# Altium PCB ES_Class6C_2L.PcbDoc (part 1 of 2)
Units mm, origin at the board's own origin, x right, y up, seen from the top; angles counter-clockwise.
Board outline 40.52 x 188.15 mm, 4 copper layers (Top Layer, Layer 1, Layer 2, Bottom Layer), stack 1.536 mm thick; 132 components, 126 nets, 469 pads, 280 vias.
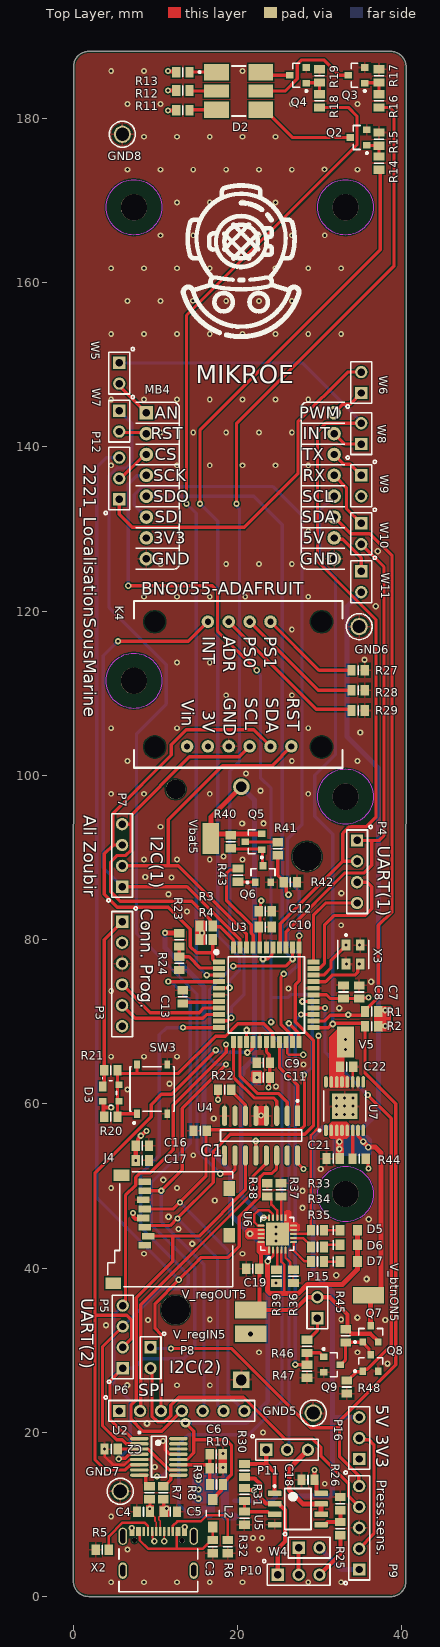
[diagram p0: Top Layer view]
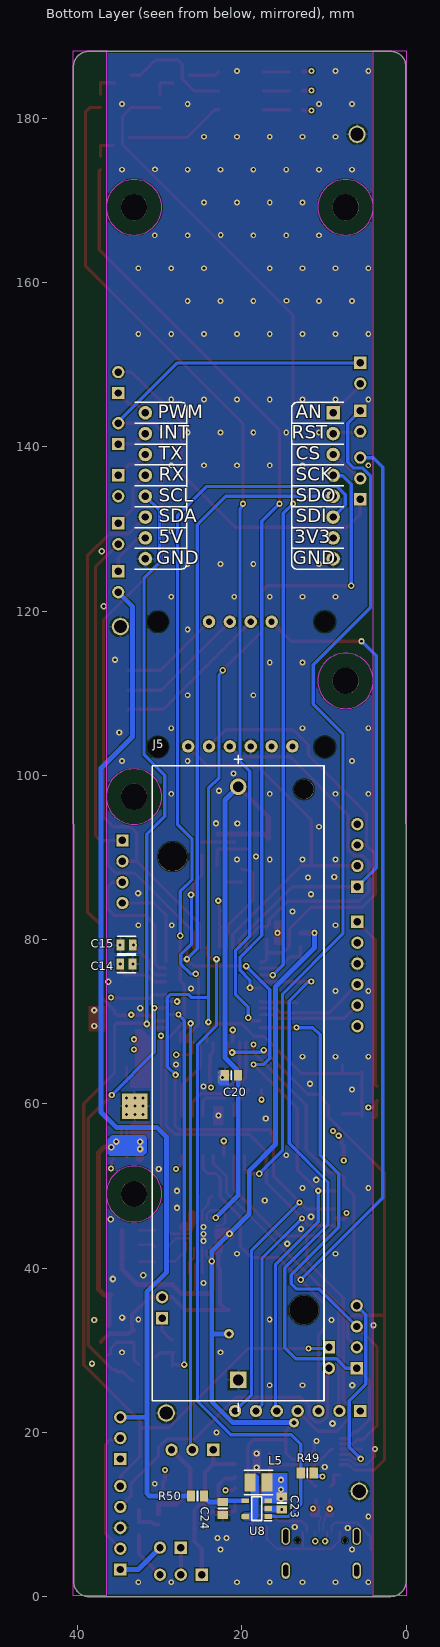
[diagram p1: Bottom Layer view, seen from below]
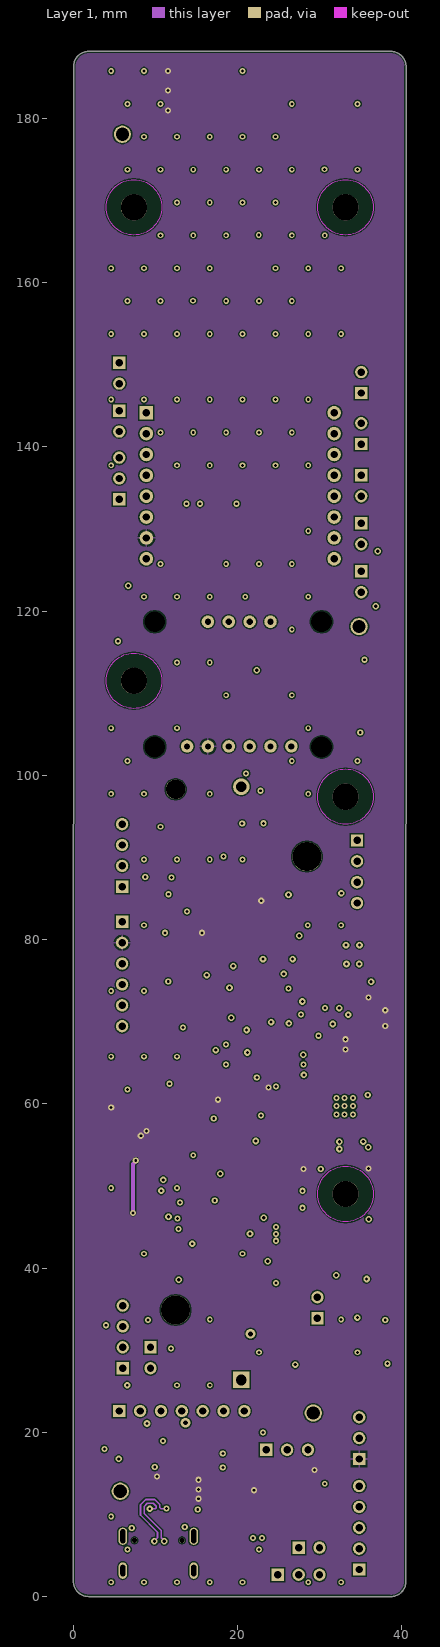
[diagram p2: Layer 1]
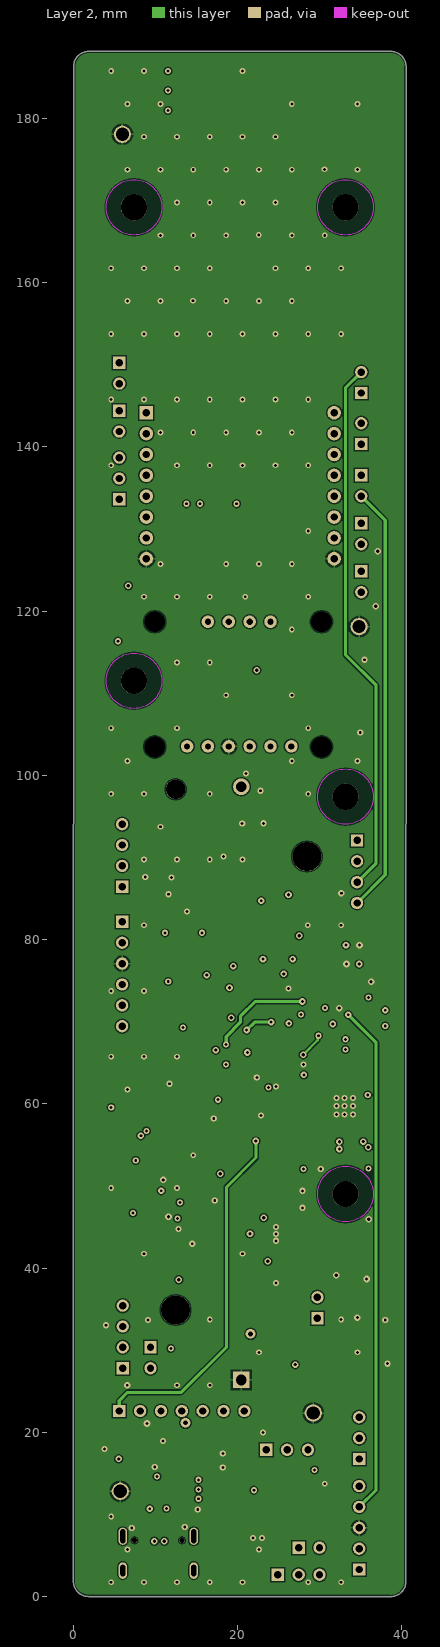
[diagram p3: Layer 2]

## Layer stack, top to bottom
Top Solder: solder mask 0.0102, Solder Resist, Dk 3.5
Top Layer: signal copper 0.018
Dielectric 1: prepreg 0.36, PP-001, Dk 3.9
Layer 1: signal copper 0.035
Dielectric1: core 0.71, FR-4, Dk 4.8
Layer 2: signal copper 0.035
Dielectric 2: prepreg 0.36, PP-001, Dk 3.9
Bottom Layer: signal copper 0.018
Bottom Solder: solder mask 0.0102, Solder Resist, Dk 3.5

## Board outline
1.85,0.012 cw(c1.85,1.863) 0,1.863 0.025,186.299 cw(c1.875,186.299) 1.875,188.15 38.645,188.15 cw(c38.645,186.275) 40.52,186.275 40.508,186.287 40.488,1.851 cw(c38.637,1.851) 38.637,0

## Design rules (kind name [scope] priority, off if disabled: settings)
BoardOutlineClearance [All] p1: gap=0.25 ignorepadtopadclearanceinfootprint=FALSE except(0: Arc-SplitContinuation Track-SplitContinuation SMDPad-SplitContinuation THPad-SplitContinuation Via-SplitContinuation Fill-SplitContinuation Poly-SplitContinuation Region-SplitContinuation Text-SplitContinuation)
Clearance Clearance-xPP-xTP-xTT [All] p1: gap=0.151 ignorepadtopadclearanceinfootprint=FALSE
ComponentClearance [All] p1: gap=0.25 collisioncheckmode=3 verticalgap=0.25 showdistances=FALSE
DiffPairsRouting [All] p1: maxlimit=0.25 minlimit=0.25 mostfreqgap=0.25 toplayer_minwidth=0.2 toplayer_maxwidth=0.381 toplayer_prefwidth=0.381 midlayer1_minwidth=0.2 midlayer1_maxwidth=0.381 midlayer1_prefwidth=0.381 midlayer2_minwidth=0.2 midlayer2_maxwidth=0.381 midlayer2_prefwidth=0.381 bottomlayer_minwidth=0.2 bottomlayer_maxwidth=0.381 bottomlayer_prefwidth=0.381 maxuncoupledlength=12.5
Height [All] p1: minheight=0 maxheight=25 prefheight=12.5
HoleSize HoleSize-PTH [All] p1: absolutevalues=TRUE maxlimit=10 minlimit=0.25 maxpercent=80.000 minpercent=20.000
HoleToHoleClearance [All] p1: gap=0.35 allowstackedmicrovias=TRUE
MinimumAnnularRing "Minimum IAR  >0.45mm" [((ObjectKind = 'Pad') OR (ObjectKind = 'Via')) And (Layer = 'MultiLayer') And (HoleDiameter > AsMM(0.45))] p1: minimumring=0.175 // minimum inner annular ring for pads > 0.45mm finished hole size
MinimumAnnularRing "Minimum IAR <=0.45mm" [((ObjectKind = 'Pad') OR (ObjectKind = 'Via')) And (Layer = 'MultiLayer') And (HoleDiameter <= AsMM(0.45))] p2: minimumring=0.175 // minimum inner annular ring for pads <= 0.45mm finished hole size
MinimumSolderMaskSliver [All] p1: minsoldermaskwidth=0.08
PasteMaskExpansion [All] p1: expansion=-0.025
PlaneClearance PlaneClearance-IPI [All] p1: clearance=0.25
PlaneConnect [All] p1: planeconnectstyle=Relief reliefexpansion=0.175 reliefentries=4 reliefconductorwidth=0.2 reliefairgap=0.2
PolygonConnect DirectVia [All vs IsNamedPolygon('GND_L01_P005') Or IsNamedPolygon('+3V3_L02_P000') Or IsNamedPolygon('GND_L03_P006') Or IsNamedPolygon('GND_L04_P008')] p1: thpad.connectstyle=Relief thpad.reliefconductorwidth=0.254 thpad.reliefentries=4 thpad.polygonreliefangle="90 Angle" thpad.airgapwidth=0.254 smdpad.connectstyle=Relief smdpad.reliefconductorwidth=0.254 smdpad.reliefentries=4 smdpad.polygonreliefangle="90 Angle" smdpad.airgapwidth=0.254 via.connectstyle=Direct via.reliefconductorwidth=0.254 via.reliefentries=4 via.polygonreliefangle="90 Angle" via.airgapwidth=0.254
PolygonConnect PolygonConnect-xTW [All] p2: connectstyle=Relief reliefconductorwidth=0.2 reliefentries=4 polygonreliefangle="90 Angle" airgapwidth=0.2
RoutingCorners [All] p1: cornerstyle=45-Degree minsetback=2.5 maxsetback=2.5
RoutingVias RoutingViasES [All] p1: holewidth=0.3 width=0.65 viastyle="Through Hole" minholewidth=0.25 minwidth=0.61 maxholewidth=0.45 maxwidth=0.8 // finishet hole size <= 0.45mm
SilkToSilkClearance [All] p1: silktosilkclearance=0.2
SilkToSolderMaskClearance SilkscreenOverComponentPads [IsPad] p1: minsilkscreentomaskgap=0.2 clearancetoexposedcopper=TRUE
SolderMaskExpansion [All] p1: expansion=0 istentingtop=FALSE
UnRoutedNet [All] p1: checkbadconnections=TRUE
Width Width-xTW [All] p1: maxlimit=1.5 minlimit=0.15 preferedwidth=0.2
17 further rules are at their usual default settings.

## Classes and differential pairs
component class U_Power: C19 C20 C21 C22 C23 C24 D5 D6 D7 GND5 GND6 GND7 GND8 GND? J5 L5 MP5 MP6 MP7 MP8 MP9 P15 Q5 Q6 Q7 Q8 Q9 R33 R34 R35 R36 R37 R38 R39 R40 R41 R42 R43 R44 R45 R46 R47 R48 R49 R50 U6 U7 U8 V5 V? V_btnON5 V_btnON? V_regIN5 V_regIN? V_regOUT5 V_regOUT? Vbat5 Vbat?
component class U_Peripherals: C16 C17 C18 J4 K4 MB4 P9 P10 P11 P12 P16 R25 R26 R27 R28 R29 R30 R31 R32 SD? U5 W4 W5 W6 W7 W8 W9 W10 W11
component class U_MCU: C7 C8 C9 C10 C11 C12 C13 C14 C15 D3 D4 P3 P4 P5 P6 P7 P8 R20 R21 R22 R23 R24 S3 SW3 U3 U4 X3
component class U_Interface: C2 C3 C4 C5 C6 D2 L2 Q2 Q3 Q4 R5 R6 R7 R8 R9 R10 R11 R12 R13 R14 R15 R16 R17 R18 R19 U2 X2
component class SchemaBloc: C1 R1 R2 R3 R4
differential pair D: +D_P -D_N
differential pair DR: +DR_P -DR_N

## Components (designator, comment, footprint, x,y, rotation, side; value= is the part's Value field where it differs from the comment)
C1 "NC" 6-0805_L 15.434,56.714 r180 top
C2 "100nF" 6-0805_L 4.605,17.97 r180 top
C3 "10nF" 6-0805_L 16.98,6.096 r90 top
C4 "47pF" 6-0805_L 8.534,10.325 r0 top
C5 "47pF" 6-0805_L 11.811,10.325 r180 top
C6 "10nF" 6-0805_L 17.399,17.335 r180 top
C7 "4.7uF" 6-0805_L 34.8,73.625 r90 top
C8 "100nF" 6-0805_L 32.893,73.622 r90 top
C9 "100nF" 6-0805_L 23.139,64.995 r180 top
C10 "100nF" 6-0805_L 23.368,81.534 r0 top
C11 "100nF" 6-0805_L 23.139,63.217 r180 top
C12 "100nF" 6-0805_L 23.368,83.439 r0 top
C13 "10uF" 6-0805_L 13.335,73.025 r270 top
C14 "C0805C180J5GACTU" FP-C0805C-DN-MFG 34.05,77.025 r180 bottom value="18 pF"
C15 "C0805C180J5GACTU" FP-C0805C-DN-MFG 34.031,79.333 r0 bottom value="18 pF"
C16 "100nF" 6-0805_L 8.403,54.89 r0 top
C17 "4.7uF" 6-0805_L 8.403,53.112 r0 top
C18 "100nF" 6-0805_L 28.575,14.224 r180 top
C19 "4.7uF, 35V" 6-0805_L 21.844,39.911 r180 top
C20 "10uF, 10V" 6-0805_L 21.275,63.5 r0 bottom value=10uF
C21 "4.7uF, 35V" 6-0805_L 31.623,53.34 r180 top
C22 "6.8uF, 10V" 6-0805_L 33.274,64.516 r0 top
C23 "4.7uF" 6-0805_L 15.15,11.4 r270 bottom
C24 "10uF" 6-0805_L 22.325,10.736 r270 bottom
D2 "CLP6C-FKB-CK1P1G1BB7R3R3" FP-CLP6C-FKB-CK1P1G1BB7R3-MFG 20.127,183.324 r0 top
D3 "BAS40-07" INF-SOT143_V 4.556,61.325 r0 top
D5 "Super Red, 1.9 V" WL-SMCW_0805_150080xx75000 33.528,44.61 r0 top
D6 "Super Red, 1.9 V" WL-SMCW_0805_150080xx75000 33.528,42.832 r0 top
D7 "Super Red, 1.9 V" WL-SMCW_0805_150080xx75000 33.528,40.8 r0 top
GND5 "5011" KSTN-5011_V 29.21,22.352 r0 top
GND6 "5011" KSTN-5011_V 34.798,118.11 r0 top
GND7 "5011" KSTN-5011_V 5.715,12.827 r0 top
GND8 "5011" KSTN-5011_V 5.969,178.054 r0 top
J4 "693071010811" uSD-WE-693071010811 11.809,44.741 r270 top
J5 "1043P" FP-1043P-MFG 20.446,62.498 r90 bottom locked
K4 "BNO055-ADAFRUIT" BNO055-ADAFRUIT 7.368,100.921 r0 top
L2 "742792133" SMD-1206 16.98,10.16 r270 top
L5 "1239AS-H-4R7M=P2" FP-DFE252012C-IPC_B 17.975,13.9 r0 bottom
MB4 "mikroBUS" "mikroBUS - Large" 7.62,122.555 r0 top
P3 "Header 6" HDR1X6 5.937,82.156 r270 top
P4 "Header 4" HDR1X4 34.544,92.075 r270 top
P5 "Header 4" HDR1X4 6.011,27.813 r90 top
P6 "Header 7" HDR1X7 5.588,22.606 r0 top
P7 "Header 4" HDR1X4 5.937,86.435 r90 top
P8 "Header 2" HDR1X2 9.398,30.353 r270 top
P9 "Header 5" HDR1X5 34.798,3.302 r90 top
P10 "Header 3" HDR1X3 24.892,2.667 r0 top
P11 "Header 3" HDR1X3 23.485,17.875 r0 top
P12 "Header 3" HDR1X3 5.588,133.604 r90 top
P15 "Header 2" HDR1X2 29.718,33.909 r90 top
P16 "Header 3" HDR1X3 34.798,16.764 r90 top
Q2 "BSS138LT1G" ONSC-SOT-23-3-318-08_V 34.735,177.658 r180 top
Q3 "BSS138LT1G" ONSC-SOT-23-3-318-08_V 34.481,185.23 r180 top
Q4 "BSS138LT1G" ONSC-SOT-23-3-318-08_V 27.369,185.23 r180 top
Q5 "NVR1P02T1G" ONSC-SOT-23-3-318-08_V 21.946,91.912 r180 top
Q6 "BSS138LT1G" ONSC-SOT-23-3-318-08_V 23.089,87.975 r90 top
Q7 "NVR1P02T1G" ONSC-SOT-23-3-318-08_V 36.195,32.004 r90 top
Q8 "BSS138LT1G" ONSC-SOT-23-3-318-08_V 36.195,28.448 r90 top
Q9 "BSS138LT1G" ONSC-SOT-23-3-318-08_V 31.48,28.255 r0 top
R1 "1k" 6-0805_L 36.322,71.247 r0 top
R2 "1k" 6-0805_L 36.322,69.469 r0 top
R3 "1k" 6-0805_L 16.167,81.661 r180 top
R4 "1k" 6-0805_L 16.167,80.01 r180 top
R5 "5k1" 6-0805_L 3.518,5.715 r180 top
R6 "5k1" 6-0805_L 18.796,6.096 r270 top
R7 "27R" 6-0805_L 9.282,12.649 r90 top
R8 "27R" 6-0805_L 10.933,12.649 r90 top
R9 "10k" 6-0805_L 17.437,13.652 r0 top
R10 "15k" 6-0805_L 17.399,15.621 r180 top
R11 "4R7" 6-0805_L 13.335,180.975 r180 top
R12 "4R7" 6-0805_L 13.335,183.388 r180 top
R13 "51R" 6-0805_L 13.335,185.624 r180 top
R14 "430R" 6-0805_L 37.211,174.546 r270 top
R15 "10k" 6-0805_L 37.211,177.467 r270 top
R16 "430R" 6-0805_L 37.211,182.118 r270 top
R17 "10k" 6-0805_L 37.211,185.166 r270 top
R18 "430R" 6-0805_L 29.972,182.118 r270 top
R19 "10k" 6-0805_L 29.972,185.166 r270 top
R20 "47k" 6-0805_L 4.572,58.42 r0 top value=1K
R21 "1k" 6-0805_L 4.575,64.075 r0 top value=1K
R22 "10k" 6-0805_L 18.415,61.722 r180 top
R23 "10k" 6-0805_L 12.877,79.972 r90 top
R24 "10k" 6-0805_L 12.877,77.115 r90 top
R25 "47k" 6-0805_L 32.512,8.28 r270 top
R26 "68k" 6-0805_L 32.512,11.328 r270 top
R27 "10k" 6-0805_L 34.675,112.8 r180 top
R28 "10k" 6-0805_L 34.675,110.347 r180 top
R29 "10k" 6-0805_L 34.675,107.895 r180 top
R30 "100R" 6-0805_L 20.828,15.367 r90 top
R31 "43k" 6-0805_L 20.828,12.446 r90 top
R32 "68k" 6-0805_L 20.828,9.55 r90 top
R33 "270R" 6-0805_L 29.718,44.61 r0 top
R34 "270R" 6-0805_L 29.718,42.578 r0 top
R35 "270R" 6-0805_L 29.718,40.8 r180 top
R36 "10k" 6-0805_L 26.799,39 r90 top
R37 "6k2" 6-0805_L 25.273,49.53 r270 top
R38 "2.2k" 6-0805_L 23.622,49.53 r270 top
R39 "10k" 6-0805_L 24.725,39 r90 top
R40 "39k" 6-0805_L 19.152,91.912 r90 top
R41 "39k" 6-0805_L 24.892,91.059 r90 top
R42 "39k" 6-0805_L 26.429,86.975 r180 top
R43 "270R" 6-0805_L 20.041,87.848 r270 top
R44 "100k" 6-0805_L 34.8,53.3 r180 top
R45 "6k2" 6-0805_L 33.147,31.75 r90 top
R46 "10k" 6-0805_L 28.448,30.48 r90 top
R47 "39k" 6-0805_L 28.448,27.448 r90 top
R48 "10k" 6-0805_L 33.274,25.527 r90 top
R49 "10k" 6-0805_L 12.039,15.05 r180 bottom
R50 "0R" 6-0805_L 25.4,12.25 r180 bottom
SW3 "PTS526SK15SMTR2LFS" FP-PTS526SK15SMTR2LFS-MFG 9.597,61.801 r90 top
U2 "FT230XS-U" SSOP-16_N 10.414,17.018 r0 top
U3 "PIC32MX130F256D-I_PT" QFP80P1200X1200X120-44N 23.495,73.279 r0 top
U4 "SN74HC138DR" FP-D0016A-IPC_A 22.86,56.134 r270 top
U5 "OPA2170AIDR" D0008A_M 27.336,10.668 r0 top
U6 "MCP73871T-2CCI/ML" Microchip_C04-126_IPC_B 24.829,44.165 r90 top
U7 "MAX1793EUE33+" TSOP65P640X110_HS-17N 33.031,59.719 r90 top
U8 "XC9140A501MR-G" SOT95P280X130-5N 18.2,10.725 r0 bottom
V5 "3.3V" KSTN-5019_V 33.135,67.541 r90 top
V_btnON5 "VBOI" KSTN-5019_V 35.941,36.703 r180 top
V_regIN5 "Vcharge" KSTN-5019_V 21.59,32.004 r180 top
V_regOUT5 "Vregu" KSTN-5019_V 21.59,34.898 r180 top
Vbat5 "Vbat" KSTN-5019_V 16.739,92.293 r90 top
W4 "Jumper" JUMPER 27.432,5.969 r0 top
W5 "Jumper" JUMPER 5.588,150.241 r270 top
W6 "Jumper" JUMPER 35.052,146.558 r90 top
W7 "Jumper" JUMPER 5.588,144.399 r270 top
W8 "Jumper" JUMPER 35.052,140.335 r90 top
W9 "Jumper" JUMPER 35.052,136.525 r270 top
W10 "Jumper" JUMPER 35.052,130.683 r270 top
W11 "Jumper" JUMPER 35.052,124.841 r270 top
X2 "USB4105-GF-A" GCT_USB4105-GF-A 10.34,3.175 r0 top
X3 "ABM8-48.000MHZ-B2-T" FP-ABM8-MFG 34.074,78.183 r270 top

## Footprints (in the part's own frame and the unit in brackets; to place one, negate y for a bottom-side part, rotate by r counter-clockwise, add the part's x,y. Pads: shape width x height; smd on the part's side, far side on the other; paste and mask are expansions set on the pad)
6-0805_L [mm] "Chip Resistor, Body 2.0x1.2mm, IPC High Density"
  rect 1x1.3 smd: 1(-0.8,0) 2(0.8,0)
  silkscreen extent 0,-0.55 0,0.55, body extent -1.07,-0.7 1.07,0.7, height 0.7
BNO055-ADAFRUIT [mil]
  round 60 hole 30: 1(255,102.5) 2(355,102.5) 3(455,102.5) 4(555,102.5) 5(655,102.5) 6(755,102.5) 7(355,700.02) 8(455,700.02) 9(555,700.02) 10(655,700.02)
  round 60 hole 100: M(100,100) M(100,700) M(900,100) M(900,700)
  silkscreen extent 0,0 1000,800, body extent 5,2 1005,802, height 539
D0008A_M [mm] "SOIC, 8-Leads, Body 5x4mm, Pitch 1.27mm, IPC Low Density"
  rrect15% 1.65x0.65 smd: 1(-2.825,1.905) 2(-2.825,0.635) 3(-2.825,-0.635) 4(-2.825,-1.905) 5(2.825,-1.905) 6(2.825,-0.635) 7(2.825,0.635) 8(2.825,1.905)
  silkscreen extent -2.95,-2.5 1.6,2.9, body extent -3,-2.45 3,2.45, height 1.63
FP-1043P-MFG [mm]
  rect 2.02x2.02 hole 1.32 paste-1000 mask+0: 1(-36.11,0)
  round 2.02 hole 1.32 paste-1000 mask+0: 2(36.11,0)
  round 3.55 hole 3.55 unplated paste-1000 mask+0: ""(-27.6,-8) ""(27.6,8)
  round 2.39 hole 2.39 unplated paste-1000 mask+0: ""(35.8,-8)
  silkscreen extent -39.95,-10.45 39.95,10.45, body extent -38.53,-10.33 38.53,10.33, height 15.11
FP-ABM8-MFG [mm]
  rect 1.3x1.05 smd paste+0 mask+0: 1(-1.15,-0.875) 2(1.15,-0.875) 3(1.15,0.875) 4(-1.15,0.875)
  silkscreen extent -2.5,-1.88 1.7,1.88, body extent -1.9,-1.5 1.9,1.5, height 0.25
FP-C0805C-DN-MFG [mm]
  rect 0.95x1.35 smd paste+0 mask+0: 1(-0.75,0) 2(0.75,0)
  silkscreen extent -1.1,-1.07 1.1,1.07, body extent -1,-0.63 1,0.63, height 0.88
FP-CLP6C-FKB-CK1P1G1BB7R3-MFG [mm]
  rect 3x2 smd paste+0 mask+0: 1(-2.7,2.3) 3(-2.7,-2.3) 4(2.7,-2.3) 6(2.7,2.3)
  rect 3x1.6 smd paste+0 mask+0: 2(-2.7,0) 5(2.7,0)
  silkscreen extent -4.87,-3.05 0.82,3.05, body extent -4.3,-3.4 4.3,3.4, height 0.25
FP-D0016A-IPC_A [mm]
  rect 2.474x0.622 smd paste+0 mask+0: 1(-2.416,4.445)
  rrect100% 2.474x0.622 smd paste+0 mask+0: 2(-2.416,3.175) 3(-2.416,1.905) 4(-2.416,0.635) 5(-2.416,-0.635) 6(-2.416,-1.905) 7(-2.416,-3.175) 8(-2.416,-4.445) 9(2.416,-4.445) 10(2.416,-3.175) 11(2.416,-1.905) 12(2.416,-0.635) 13(2.416,0.635) 14(2.416,1.905) 15(2.416,3.175) 16(2.416,4.445)
  silkscreen extent -4.35,-4.95 0.68,4.95, body extent -4.15,-5.45 4.15,5.45, height 0.25
FP-DFE252012C-IPC_B [mm]
  rect 1.355x2.206 smd paste+0 mask+0: 1(-1.026,0) 2(1.026,0)
  silkscreen extent -1.7,-1.5 1.7,1.5, body extent -1.25,-1 1.25,1, height 1.2
FP-PTS526SK15SMTR2LFS-MFG [mm]
  rect 1x0.7 smd paste+0 mask+0: 1(-3,1.85) 2(3,1.85) 3(-3,-1.85) 4(3,-1.85)
  silkscreen extent -4.25,-2.7 2.7,2.7, body extent -3.6,-2.8 3.6,2.8, height 0.25
GCT_USB4105-GF-A [mm]
  rect 0.6x1.15 smd: A1B12(-3.2,4.755) A4B9(-2.4,4.755) B1A12(3.2,4.755) B4A9(2.4,4.755)
  rect 0.3x1.15 smd: A5(-1.25,4.755) A6(-0.25,4.755) A7(0.25,4.755) A8(1.25,4.755) B5(1.75,4.755) B6(0.75,4.755) B7(-0.75,4.755) B8(-1.75,4.755)
  oval 1.05x2.1 hole 0.6 slot 1.7 at 90 deg: S1(-4.32,4.18) S4(4.32,4.18)
  oval 1x2 hole 0.6 slot 1.4 at 90 deg: S2(-4.32,0) S3(4.32,0)
  round 0.65 hole 0.65 unplated: ""(-2.89,3.68) ""(2.89,3.68)
  silkscreen extent -4.79,-2.6 4.79,2.65, body extent -4.47,-2.59 4.47,5.11, height 3.26
HDR1X2 [mm] "Connector; Header; 2 Position"
  rect 1.5x1.5 hole 0.9: 1(0,0)
  round 1.5 hole 0.9: 2(2.54,0)
  silkscreen extent -1.85,-1.27 3.81,1.85, body extent -1.27,-1.27 3.81,1.27, height 9.5
HDR1X3 [mm] "Connector; Header; 3 Position"
  rect 1.5x1.5 hole 0.9: 1(0,0)
  round 1.5 hole 0.9: 2(2.54,0) 3(5.08,0)
  silkscreen extent -1.85,-1.27 6.35,1.85, body extent -1.27,-1.27 6.35,1.27, height 9.5
HDR1X4 [mm] "Connector; Header; 4 Position"
  rect 1.5x1.5 hole 0.9: 1(0,0)
  round 1.5 hole 0.9: 2(2.54,0) 3(5.08,0) 4(7.62,0)
  silkscreen extent -1.85,-1.27 8.89,1.85, body extent -1.27,-1.27 8.89,1.27, height 9.5
HDR1X5 [mm] "Connector; Header; 5 Position"
  rect 1.5x1.5 hole 0.9: 1(0,0)
  round 1.5 hole 0.9: 2(2.54,0) 3(5.08,0) 4(7.62,0) 5(10.16,0)
  silkscreen extent -1.85,-1.27 11.43,1.85, body extent -1.27,-1.27 11.43,1.27, height 9.5
HDR1X6 [mm] "Connector; Header; 6 Position"
  rect 1.5x1.5 hole 0.9: 1(0,0)
  round 1.5 hole 0.9: 2(2.54,0) 3(5.08,0) 4(7.62,0) 5(10.16,0) 6(12.7,0)
  silkscreen extent -1.85,-1.27 13.97,1.85, body extent -1.27,-1.27 13.97,1.27, height 9.5
HDR1X7 [mm] "Connector; Header; 7 Position"
  rect 1.5x1.5 hole 0.9: 1(0,0)
  round 1.5 hole 0.9: 2(2.54,0) 3(5.08,0) 4(7.62,0) 5(10.16,0) 6(12.7,0) 7(15.24,0)
  silkscreen extent -1.85,-1.27 16.51,1.85, body extent -1.27,-1.27 16.51,1.27, height 9.5
INF-SOT143_V [mm] "SOT143, 4-Leads, Body 2.9x1.3 mm"
  rect 0.9x1.2 smd: 1(-1,0.8)
  rect 0.9x0.8 smd: 2(-1,-1) 3(1,-1) 4(1,1)
  silkscreen extent -1.05,-1.5 0.7,1.85, body extent -0.65,-1.45 0.65,1.45, height 1.1
JUMPER [mm] "Connector; Header; 2 Position"
  rect 1.5x1.5 hole 0.9: 1(0,0)
  round 1.5 hole 0.9: 2(2.54,0)
  silkscreen extent -1.85,-1.27 3.81,1.85, body extent -1.33,-1.27 3.87,1.27, height 8.6
KSTN-5011_V [mm] "Test Point, Dia 3.17mm"
  round 2.1 hole 1.6: 1(0,0)
  silkscreen extent -1.59,-1.58 1.59,1.58, body extent -1.59,-1.59 1.59,1.59, height 8.13
KSTN-5019_V [mm] "Test Point, 1-Leads, Body 3.81x2.03mm"
  rect 3.8x2.03 smd: 1(0,0)
  body extent -1.9,-1.01 1.9,1.02, height 2.29
Microchip_C04-126_IPC_B [mm]
  rect 0.829x0.239 smd paste+0 mask+0: 1(-1.97,1)
  rrect100% 0.829x0.239 smd paste+0 mask+0: 2(-1.97,0.5) 3(-1.97,0) 4(-1.97,-0.5) 5(-1.97,-1) 11(1.97,-1) 12(1.97,-0.5) 13(1.97,0) 14(1.97,0.5) 15(1.97,1)
  rrect100% 0.239x0.829 smd paste+0 mask+0: 6(-1,-1.97) 7(-0.5,-1.97) 8(0,-1.97) 9(0.5,-1.97) 10(1,-1.97) 16(1,1.97) 17(0.5,1.97) 18(0,1.97) 19(-0.5,1.97) 20(-1,1.97)
  rect 2.8x2.8 smd paste-1000 mask+0: 21(0,0)
  silkscreen extent -3.05,-2 2,2, body extent -2.54,-2.5 2.72,2.76, height 0.25
"mikroBUS - Large" [mil]
  rect 65x65 hole 35: 1(50,850)
  round 65 hole 35: 2(50,750) 3(50,650) 4(50,550) 5(50,450) 6(50,350) 7(50,250) 8(50,150) 9(950,150) 10(950,250) 11(950,350) 12(950,450) 13(950,550) 14(950,650) 15(950,750) 16(950,850)
  silkscreen extent 0,100 1000,900, body extent -11,-16 1004,2120, height 735
ONSC-SOT-23-3-318-08_V [mm] "SOT23, 3-Leads, Body 2.92x1.3mm, Pitch 0.95mm"
  rect 0.9x0.8 smd: 1(-1,0.95) 2(-1,-0.95) 3(1,0)
  silkscreen extent -1.13,-1.46 0.65,2.02, body extent -0.65,-1.46 0.65,1.46, height 1.11
QFP80P1200X1200X120-44N [mm]
  rect 1.475x0.6 smd: 1(-5.738,4) 2(-5.738,3.2) 3(-5.738,2.4) 4(-5.738,1.6) 5(-5.738,0.8) 6(-5.738,0) 7(-5.738,-0.8) 8(-5.738,-1.6) 9(-5.738,-2.4) 10(-5.738,-3.2) 11(-5.738,-4) 23(5.738,-4) 24(5.738,-3.2) 25(5.738,-2.4) 26(5.738,-1.6) 27(5.738,-0.8) 28(5.738,0) 29(5.738,0.8) 30(5.738,1.6) 31(5.738,2.4) 32(5.738,3.2) 33(5.738,4)
  rect 0.6x1.475 smd: 12(-4,-5.738) 13(-3.2,-5.738) 14(-2.4,-5.738) 15(-1.6,-5.738) 16(-0.8,-5.738) 17(0,-5.738) 18(0.8,-5.738) 19(1.6,-5.738) 20(2.4,-5.738) 21(3.2,-5.738) 22(4,-5.738) 34(4,5.738) 35(3.2,5.738) 36(2.4,5.738) 37(1.6,5.738) 38(0.8,5.738) 39(0,5.738) 40(-0.8,5.738) 41(-1.6,5.738) 42(-2.4,5.738) 43(-3.2,5.738) 44(-4,5.738)
  silkscreen extent -6.27,-4.65 4.65,5.4, body extent -6,-6 6,6, height 1.2
SMD-1206 [mm] "Chip Inductor, 2-Leads, Body 3.2x1.6mm"
  rect 1.35x1.2 smd: 1(-1.675,0) 2(1.675,0)
  silkscreen extent -0.35,-0.8 0.35,0.8, body extent -1.6,-0.8 1.6,0.8, height 1.09
SOT95P280X130-5N [mm]
  rect 0.9x0.6 smd: 1(-1.4,0.95) 2(-1.4,0) 3(-1.4,-0.95) 4(1.4,-0.95) 5(1.4,0.95)
  silkscreen extent -1.85,-1.45 0.6,1.5, body extent -1.4,-1.45 1.4,1.45, height 1.3
SSOP-16_N [mm] "SOP, 16-Leads, Body 4.9x3.9mm, Pitch 0.635mm, IPC Medium Density"
  oval 2.25x0.4 smd: 1(-2.375,2.222) 2(-2.375,1.587) 3(-2.375,0.953) 4(-2.375,0.318) 5(-2.375,-0.318) 6(-2.375,-0.953) 7(-2.375,-1.587) 8(-2.375,-2.222) 9(2.375,-2.222) 10(2.375,-1.587) 11(2.375,-0.953) 12(2.375,-0.318) 13(2.375,0.318) 14(2.375,0.953) 15(2.375,1.587) 16(2.375,2.222)
  silkscreen extent -2.5,-2.5 0.9,3.1, body extent -1.99,-2.5 1.99,2.5, height 1.76
TSOP65P640X110_HS-17N [mm] "TSOP, 16-Leads, Body 5.00x4.40mm, Pitch 0.65mm, Thermal Pad 3.10x3.10mm, IPC Medium Density"
  oval 1.4x0.45 smd: 1(-2.95,2.275) 2(-2.95,1.625) 3(-2.95,0.975) 4(-2.95,0.325) 5(-2.95,-0.325) 6(-2.95,-0.975) 7(-2.95,-1.625) 8(-2.95,-2.275) 9(2.95,-2.275) 10(2.95,-1.625) 11(2.95,-0.975) 12(2.95,-0.325) 13(2.95,0.325) 14(2.95,0.975) 15(2.95,1.625) 16(2.95,2.275)
  rect 3.1x3.1 smd: 10(0,0)
  rect 3.1x3.1 smd far side: 10(0,0)